# Altium PCB Carte_Mere - Copie.PcbDoc (part 3 of 4)
Units mm, origin at the board's own origin, x right, y up, seen from the top; angles counter-clockwise.
Board outline 100 x 70 mm, 4 copper layers (Top Copper, Ground Plane, Power Plane, Bottom Copper), stack 1.57 mm thick; 396 components, 347 nets, 1180 pads, 759 vias.
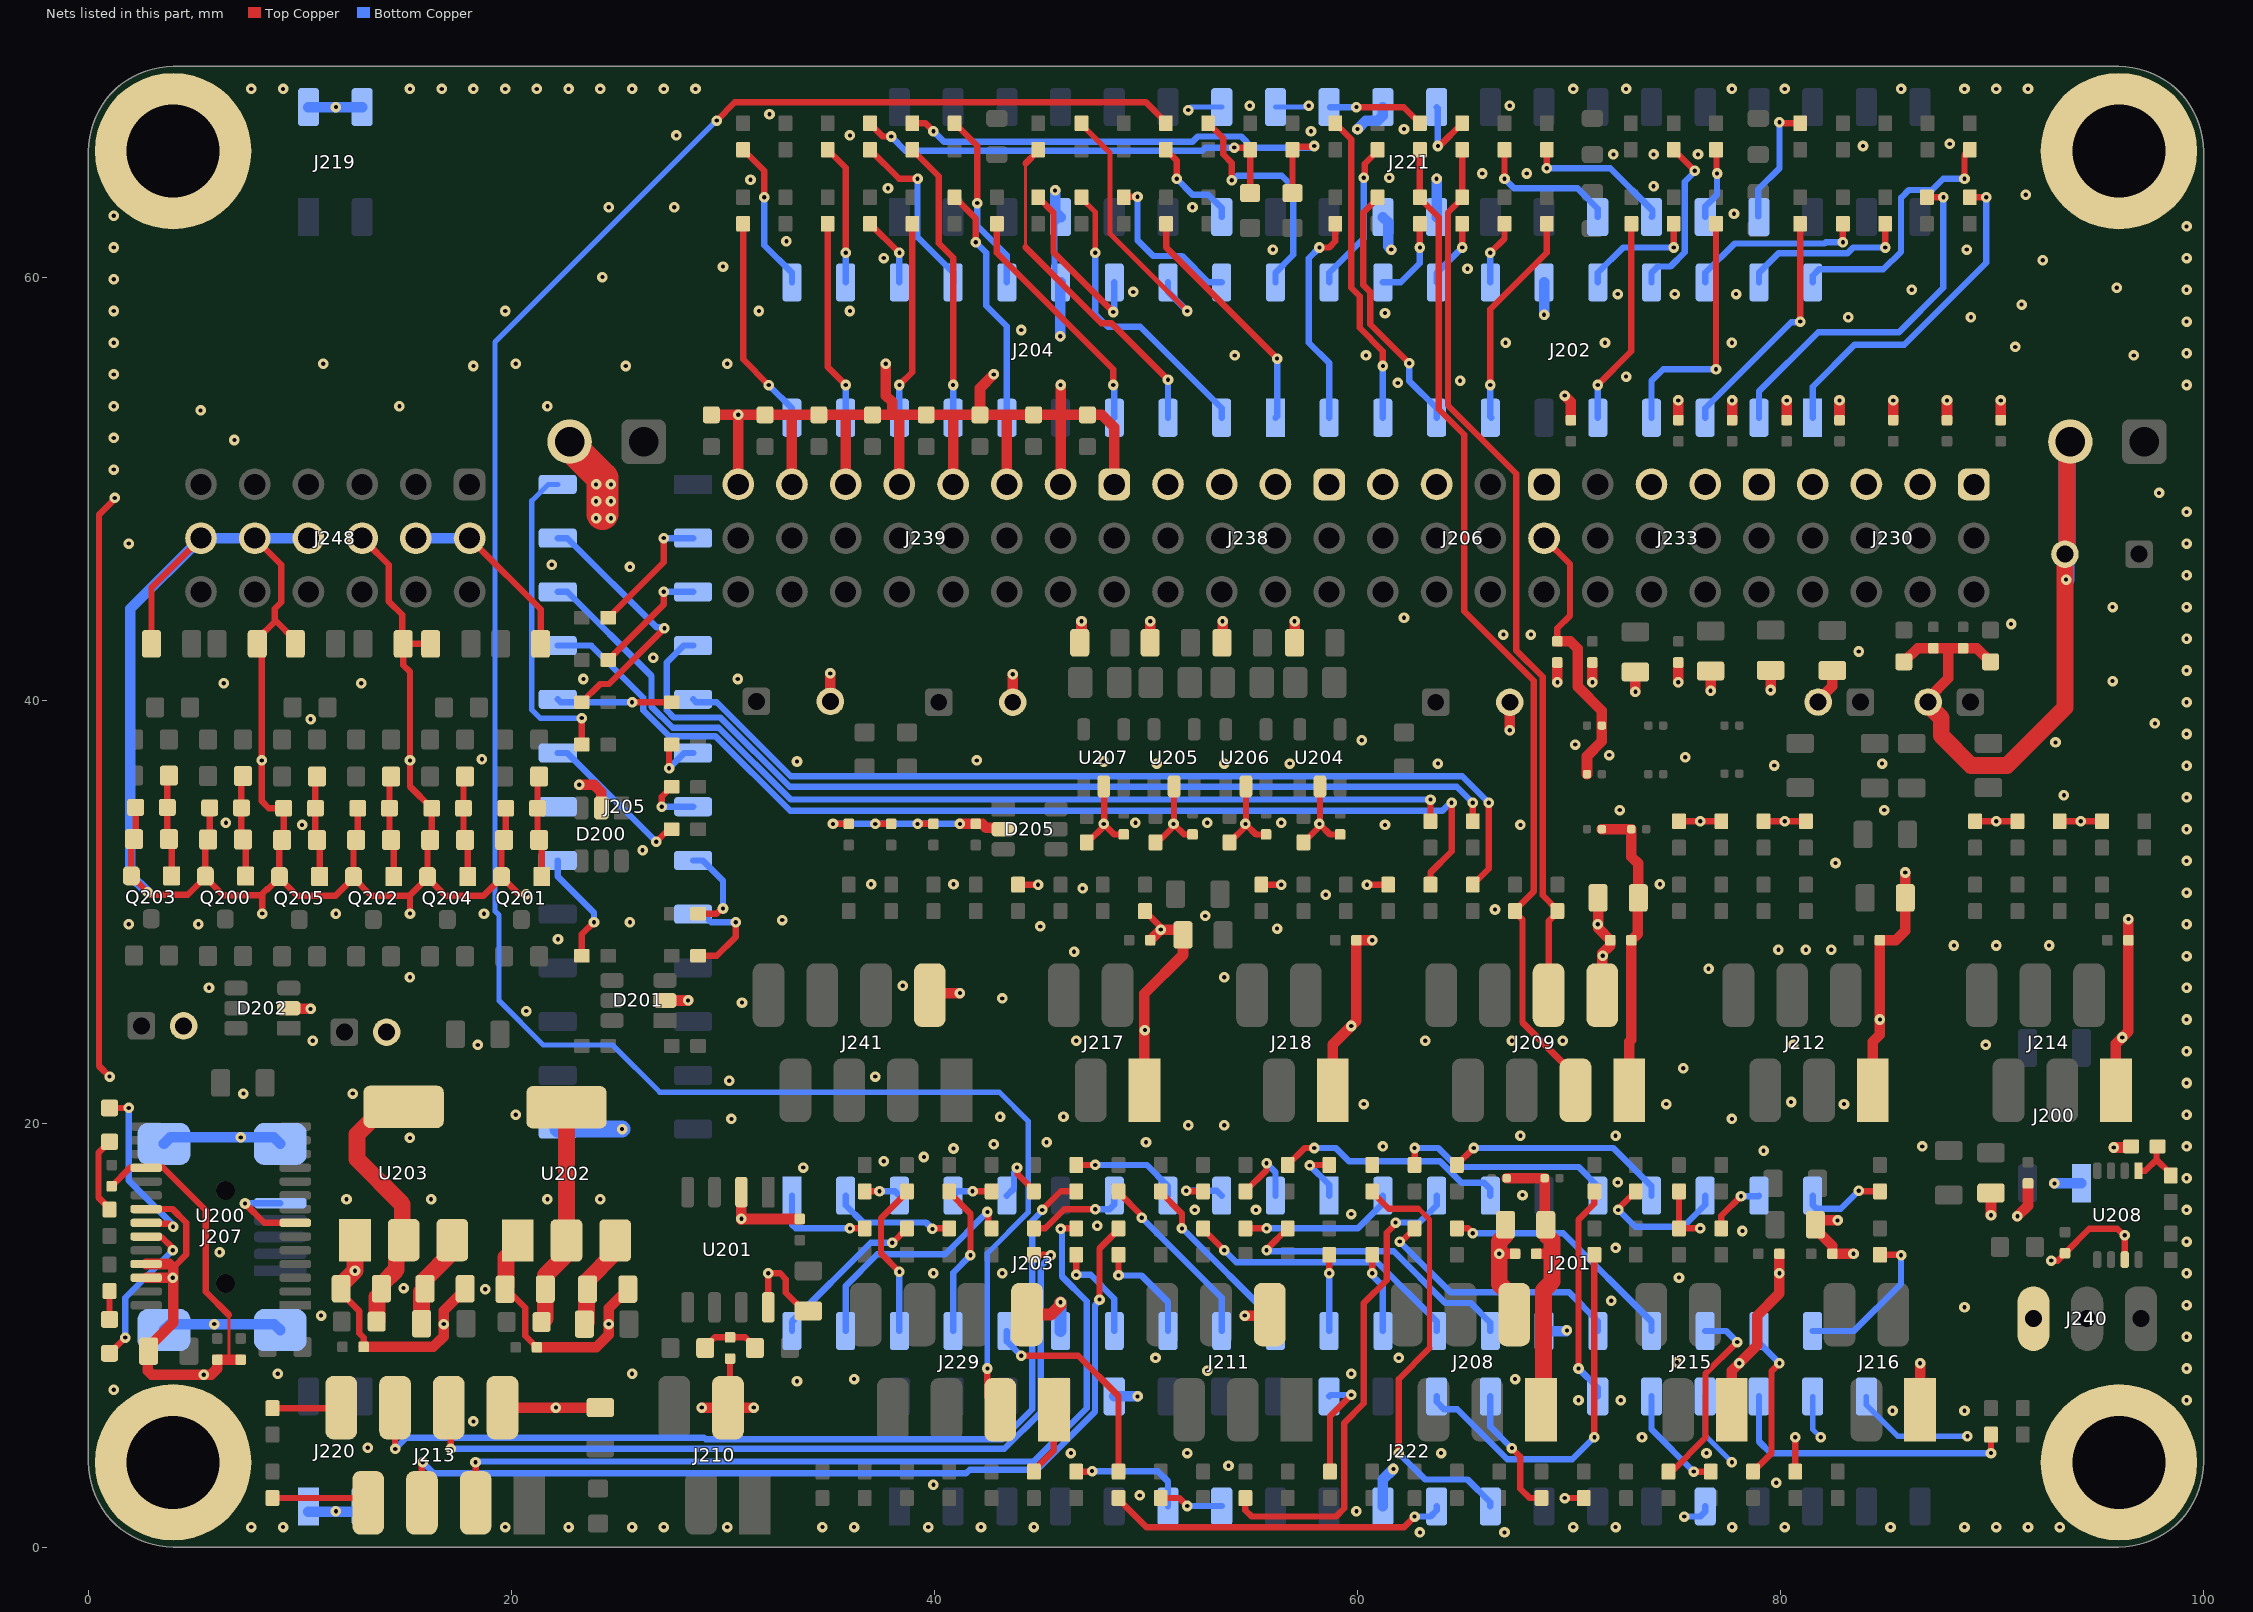
[diagram p5: the nets of this part, all layers, seen from the top]

## Via types
v1: diameter 0.5, hole 0.2, Top Copper to Bottom Copper, tented both sides, 747 vias
v2: diameter 0.5, hole 0.2, Top Copper to Bottom Copper, tented bottom, 11 vias
v3: diameter 0.5, hole 0.2, Top Copper to Bottom Copper, 1 vias

## Nets (pads, with @x,y where several pads share a name; then routed paths per layer and width w, separated by ;. In a path a pad name is that pad's centre, name@x,y a point inside that pad or via, vN(x,y) a via of type N, cw(c..) or ccw(c..) an arc to the next point about the centre after c; other vN are vias at no path point) (continued)
GND: C200.2 C201.2 C202.2 C203.2 C204.2 C205.2 C206.2 C207.2 C208.2 C209.2 C210.2 C211.2 C212.2 C213.2 C214.2 C215.2 C216.2 C217.2 C218.2 C219.2 C220.2 C221.2 C222.2 C223.2 C224.2 C225.2 C226.2 C227.2 C228.2 C229.2 C230.2 C231.2 C232.2 C233.2 C234.2 C235.2 C236.2 C237.2 C238.2 C239.2 C240.2 C241.2 C242.2 C243.2 C244.2 C245.2 C246.2 C247.2 C248.2 C249.2 C250.2 C251.1 C252.1 C253.2 C254.2 C255.2 C256.2 C257.1 C258.2 C259.1 C260.2 C261.2 C262.2 C263.2 C264.2 C265.2 C266.2 C267.2 C268.2 C269.2 C270.2 C271.2 C272.2 C273.2 C274.2 C275.2 C276.2 C277.1 C278.2 C279.1 C280.1 C281.2 C282.2 C283.1 C284.2 C285.1 C286.1 C287.2 C288.2 D200.2 D201.2 D202.2 D205.2 H200.1 H201.1 H202.1 H203.1 J200.1 J201.10 J202.12 J203.12 J204.10 J205.26 J206.1 J206.7 J206.10 J207.5 J207.S1 J207.S2 J207.S3 J207.S4 J208.2 J209.2 J210.2 J211.2 J212.1 J213.2 J214.1 J215.1 J216.1 J217.1 J218.1 J219.2 J219.4 J220.1 J220.3 J221.7 J221.19 J221.20 J221.21 J222.10 J222.19 J222.31 J225.2 J226.2 J229.2 J230.1 J230.4 J230.7 J230.10 J233.1 J233.4 J233.7 J238.1 J238.4 J238.7 J238.10 J239.1 J239.4 J239.7 J239.10 J239.13 J239.16 J239.19 J239.22 J240.3 J241.2 J248.2 J248.5 J248.8 J248.11 J248.14 J248.17 Q200.2 Q201.2 Q202.2 Q203.2 Q204.2 Q205.2 R220.1 R221.1 R222.1 R223.1 R228.1 R229.1 R230.1 R231.1 R240.1 R241.1 R242.1 R243.1 R244.1 R245.1 R246.1 R247.1 R255.2 R256.2 R259.2 R260.2 R265.1 R273.1 R278.1 R279.1 R285.1 R290.1 R291.1 U200.7 U200.18 U200.21 U200.25 U200.26 U201.2 U201.8 U202.1 U203.1 U204.2 U205.2 U206.2 U207.2 U208.7 | length 501.6
  Top Copper w0.15: 6.645,8.859 6.645,10.969
  Top Copper w0.3: v1(1,22.24) 0.498,22.743 0.498,48.808 1.238,49.549 v1(1.238,49.603) ; C206.2@1.095,17.059 1.966,17.93 U200.18@2.73,17.93 3.532,17.93 5.54,15.922 5.54,12.074 6.645,10.969 ; C284.2@2.23,34.97 2.23,33.545 2.028,33.342 Q203.2@2.028,31.736 2.805,30.959 2.868,30.959 2.991,30.836 4.697,30.836 Q200.2@5.527,31.666 ; U200.21@2.73,15.98 3.972,15.98 4.625,15.327 4.625,13.829 4,13.204 ; C283.1@2.98,42.7 2.98,45.36 J248.17@5.32,47.7 ; C278.2@5.73,34.95 5.73,33.525 5.527,33.323 Q200.2@5.527,31.716 Q200.2@5.527,31.666 ; v1(7.4,16.24) 8.31,15.33 U200.7@9.78,15.33 ; J248.14@7.86,47.7 9.115,46.445 9.115,44.675 8.805,44.365 8.805,43.835 9.78,42.86 C286.1@9.78,42.7 ; v1(8.221,29.95) 8.221,30.889 ; 8.805,43.755 7.98,42.93 C277.1@7.98,42.7 8.19,42.49 8.19,35.27 8.53,34.93 C288.2@9.23,34.93 9.23,33.505 9.028,33.302 Q205.2@9.028,31.696 Q205.2@9.028,31.646 ; C229.2@11.95,12.011 12.8,11.161 12.8,10.102 13.007,9.895 C230.2@13.007,9.461 ; C282.2@12.73,34.93 12.73,33.505 12.528,33.302 Q202.2@12.528,31.696 Q202.2@12.528,31.646 ; J248.8@13.12,47.7 13.12,47.52 14.195,46.445 14.195,44.706 14.83,44.071 C280.1@14.83,42.85 ; 15.127,30.796 13.378,30.796 Q202.2@12.528,31.646 ; v1(15.2,29.95) 15.2,30.819 Q204.2@16.028,31.646 ; C285.1@16.18,42.7 C280.1@14.88,42.7 14.88,41.695 15.2,41.374 15.2,35.96 C287.2@16.23,34.93 16.23,33.505 16.028,33.303 Q204.2@16.028,31.696 Q204.2@16.028,31.646 ; C228.2@17.812,12.211 C228.2@17.827,12.196 ; J248.2@18.23,47.7 18.23,47.49 21.38,44.34 C279.1@21.38,42.7 ; C226.2@19.698,12.262 20.65,11.31 20.65,9.99 C227.2@21.2,9.44 ; C281.2@19.73,34.93 19.73,33.505 19.528,33.303 Q201.2@19.528,31.696 ; 20.355,30.869 Q201.2@19.528,31.696 ; J210.2@30.235,6.59 30.335,6.69 C213.2@30.335,8.91 ; U201.8@32.14,11.33 v1(32.14,12.94) 32.7,12.94 32.975,12.665 32.975,12.02 33.835,11.16 C209.2@34.035,11.16 ; v1(35.2,34.19) C261.2@35.95,34.19 ; v1(37.2,34.19) C254.2@37.95,34.19 ; v1(39.2,34.19) C260.2@39.95,34.19 ; R247.1@43.95,31.315 v1(44.9,31.315) ; R260.2@47.25,33.315 48.038,34.103 v1@48.038,34.152 ; U207.2@48.026,35.96 48.026,34.216 v1(48,34.19) v1@48.038,34.152 ; C263.2@48.976,33.69 48.5,33.69 v1@48.038,34.152 ; R246.1@49.95,30.065 50.825,29.19 51.5,29.19 C221.2@51.75,28.94 ; R256.2@50.55,33.315 51.338,34.103 v1@51.338,34.152 ; U205.2@51.326,35.96 51.326,34.216 v1(51.3,34.19) v1@51.338,34.152 ; C256.2@52.276,33.69 C256.2@52.2,33.69 51.8,33.69 v1@51.338,34.152 ; R259.2@53.95,33.315 54.738,34.103 v1@54.738,34.152 ; U206.2@54.726,35.96 54.726,34.216 v1(54.7,34.19) v1@54.738,34.152 ; R245.1@55.45,31.315 v1(56.4,31.315) ; C262.2@55.676,33.69 55.2,33.69 v1@54.738,34.152 ; R255.2@57.45,33.315 58.238,34.103 v1@58.238,34.152 ; U204.2@58.226,35.96 58.226,34.216 v1(58.2,34.19) v1@58.238,34.152 ; C255.2@59.176,33.69 58.7,33.69 v1@58.238,34.152 ; v1(60.45,31.315) R244.1@61.45,31.315 ; v1(69.8,2.315) R242.1@70.7,2.315 ; R241.1@75.2,16.815 75.2,16.44 R243.1@75.2,15.065 v1(76.2,15.065) ; R223.1@75.2,34.315 v1(76.2,34.315) R221.1@77.2,34.315 ; R220.1@79.2,34.315 v1(80.2,34.315) R222.1@81.2,34.315 ; R240.1@80.7,3.565 v1(80.7,5.19) ; R231.1@89.2,34.315 v1(90.2,34.315) R229.1@91.2,34.315 ; v1(92.8,13.54) 93.1,13.54 C267.2@93.45,13.89 94.6,15.04 95.921,15.04 96.221,14.74 v1(96.275,14.74) U208.7@96.275,13.59 ; R228.1@93.2,34.315 v1(94.2,34.315) R230.1@95.2,34.315 ; Q200.2@5.527,31.666 6.378,30.816 8.148,30.816 8.221,30.889 ; 8.221,30.889 8.432,31.1 8.482,31.1 Q205.2@9.028,31.646 ; Q205.2@9.028,31.646 9.878,30.796 11.678,30.796 Q202.2@12.528,31.646 ; Q204.2@16.028,31.646 16.878,30.796 18.678,30.796 19.528,31.646 Q201.2@19.528,31.696
  Top Copper w0.5: U200.26@2.73,12.73 v1(3.99,12.73) ; U200.25@2.73,13.38 3.824,13.38 4,13.204 4,10.614 2.845,9.459 C202.2@2.845,9.259 2.812,9.226 2.812,8.328 3,8.14 5.795,8.14 6.095,8.44 C203.2@6.095,8.859 6.645,8.859 C204.2@7.195,8.859 ; D202.2@9.47,25.44 v1(10.5,25.44) ; C229.2@11.95,12.011 C229.2@11.95,12.211 ; C230.2@13.007,9.461 16.307,9.461 16.8,9.954 v1(16.8,10.54) 16.8,11.168 17.293,11.661 C228.2@17.827,12.196 ; J213.2@19.575,6.59 v1(22.1,6.59) C217.2@24.2,6.59 ; C227.2@21.2,9.44 24.007,9.44 24.6,10.033 v1(24.6,10.54) 24.6,11.293 C225.2@25.498,12.191 ; v1(23.2,36.04) 23.9,36.04 24.25,35.69 D200.2@24.25,34.94 ; D201.2@27.255,25.84 28.35,25.84 v1(28.352,25.842) ; v1(29,6.59) J210.2@30.235,6.59 v1(31.45,6.59) ; C274.2@29.45,53.53 v1(30.72,53.53) ; J239.22@30.72,50.24 v1(30.72,53.53) ; v1@30.87,15.47 v1@30.87,15.51 ; U201.2@30.87,16.78 v1(30.87,15.515) v1@30.87,15.51 ; J239.19@33.26,50.24 33.26,53.49 ; C210.2@33.635,15.51 v1@30.87,15.51 ; C271.2@35.076,39.98 v1(35.076,41.305) ; J239.16@35.8,50.24 35.8,53.43 ; v1(37.7,55.94) 37.7,54.44 38,54.14 38,53.54 ; J239.13@38.34,50.24 38.34,53.49 ; J241.2@39.775,26.09 39.875,26.19 v1(41.2,26.19) ; J239.10@40.88,50.24 40.88,53.53 ; v1(41.2,34.19) C253.2@41.95,34.19 42.255,34.19 42.449,33.997 43.193,33.997 D205.2@43.25,33.94 ; v1(42.8,55.44) 42.15,54.79 C268.2@42.15,53.53 ; J239.7@43.42,50.24 43.42,53.53 ; C265.2@43.7,39.94 v1(43.7,41.265) ; J239.4@45.96,50.24 45.96,53.53 ; v1(45.96,54.94) 45.96,53.53 ; C259.1@46.867,42.755 46.95,42.838 v1(46.95,43.774) ; J239.1@48.5,50.24 48.5,52.94 47.9,53.54 47.24,53.54 C264.2@47.23,53.53 45.96,53.53 ; J217.1@49.924,21.59 v1@49.924,24.44 ; v1(49.95,24.44) v1@49.924,24.44 ; C223.2@50.2,28.69 v1(50.7,29.19) C221.2@51.5,29.19 ; C257.1@50.2,42.755 v1(50.2,43.774) ; C221.2@51.75,28.94 51.75,27.99 49.924,26.164 v1@49.924,24.44 ; C252.1@53.623,42.755 v1(53.623,43.774) ; v1(54.671,10.94) 55.8,10.94 J211.2@55.85,10.99 ; C251.1@57.027,42.755 v1(57.027,43.774) ; J218.1@58.824,21.59 58.824,23.759 v1(59.7,24.635) 59.95,24.885 C222.2@59.95,28.69 v1(60.7,28.69) ; v1(66.7,13.865) C208.2@67.45,13.865 ; v1(67.2,38.615) C258.2@67.2,39.94 ; v1(69.45,40.89) C205.2@69.45,41.82 ; v1(69.8,54.44) 70.09,54.15 C239.2@70.09,53.28 ; v1(71.106,40.89) C240.2@71.106,41.82 ; C211.2@71.375,30.69 71.375,29.265 C212.2@71.95,28.69 71.95,28.44 71.575,28.065 J209.2@71.575,26.09 ; v1(73.138,40.44) C241.2@73.138,41.37 ; v1(75.17,40.89) C237.2@75.17,41.82 ; C236.2@75.17,53.28 v1(75.17,54.21) ; v1(76.694,40.486) C242.2@76.694,41.416 ; J215.1@77.7,6.48 77.7,8.34 v1(78.05,8.69) 78.9,9.54 78.9,10.94 79.95,11.99 C220.2@79.95,13.865 ; C234.2@77.71,53.28 v1(77.71,54.21) ; v1(79.53,40.52) C247.2@79.53,41.45 ; C232.2@80.29,53.28 v1(80.29,54.21) ; C243.2@81.78,39.95 81.78,40.02 82.45,40.69 C248.2@82.45,41.44 ; v1(82.7,15.44) 81.85,15.44 C218.2@81.65,15.24 81.65,15.04 82.45,14.24 C219.2@82.45,13.865 v1(83.45,13.865) ; C238.2@82.79,53.28 v1(82.79,54.21) ; J212.1@84.359,21.59 84.359,23.885 84.7,24.226 C216.2@84.7,28.69 85.45,28.69 85.9,29.14 C214.2@85.9,30.69 v1(85.9,31.89) ; C235.2@85.33,53.28 v1(85.33,54.21) ; C246.2@85.83,41.85 86.48,42.5 C245.2@87.23,42.5 87.93,42.5 ; J216.1@86.6,6.48 v1(86.6,8.69) ; C244.2@86.98,39.95 86.98,40.12 87.93,41.07 87.93,42.5 ; C233.2@87.87,53.28 v1(87.87,54.21) ; C249.2@89.93,41.85 89.28,42.5 C250.2@88.63,42.5 87.93,42.5 ; v1(89.95,15.69) C200.2@89.95,16.74 ; C231.2@90.41,53.28 v1(90.41,54.21) ; v1(91.2,15.64) 91.7,16.14 C201.2@91.7,17.19 ; v1(95.75,18.89) 96.525,18.89 R265.1@96.575,18.94 ; J214.1@95.859,21.59 95.859,23.794 v1(96.155,24.09) 96.45,24.385 C215.2@96.45,28.69 v1(96.45,29.69) ; v1(30.72,53.53) C273.2@31.99,53.53 C272.2@34.53,53.53 C270.2@37.07,53.53 C269.2@39.61,53.53 40.88,53.53 ; 40.88,53.53 C268.2@42.15,53.53 ; C268.2@42.15,53.53 43.42,53.53 ; 43.42,53.53 C266.2@44.69,53.53 45.96,53.53
  Top Copper w0.56: J229.2@44.375,10.99 45.5,10.99 45.96,11.45 v1(45.96,11.575)
  Top Copper w0.8: C229.2@11.95,12.211 11.95,12.411 v1(12.6,13.061) U203.1@12.6,14.51 ; C226.2@19.698,12.262 19.748,12.312 19.748,13.688 20.3,14.24 U202.1@20.3,14.49 ; C207.2@67,15.24 67,14.74 66.7,14.44 v1(66.7,13.865) 66.7,12.445 67.405,11.74 J208.2@67.405,10.99 ; C244.2@86.98,39.95 86.98,39.815 87.6,39.195 87.6,38.361 89.011,36.95 90.71,36.95 93.45,39.69 93.45,46.844 93.546,46.94 93.546,52.106 J225.2@93.7,52.26
  Top Copper w1.5: J226.2@22.75,52.26 22.75,52.098 24.3,50.548 24.3,48.84
  Bottom Copper w0.3: v1@7.4,16.259 7.409,16.249 9.06,16.249 J207.5@9.07,16.259 ; v1(35.2,34.19) v1(37.2,34.19) v1(39.2,34.19) v1(41.2,34.19) ; J204.10@45.96,59.79 45.673,60.077 45.673,62.593 J221.7@45.96,62.88 ; v1(75.45,1.44) 76.2,1.44 76.44,1.68 J222.31@76.44,1.92
  Bottom Copper w0.5: v1(2.796,30.95) 1.98,31.766 1.98,44.36 J248.17@5.32,47.7 J248.14@7.86,47.7 J248.11@10.4,47.7 J248.11@10.58,47.7 ; J207.S4@3.57,10.259 3.851,10.54 v1(5.95,10.54) 8.789,10.54 J207.S1@9.07,10.259 ; J207.S3@3.57,19.059 3.878,19.367 v1(7.2,19.367) 8.762,19.367 J207.S2@9.07,19.059 ; J220.1@10.4,1.67 J220.3@12.94,1.67 ; J219.2@10.4,68.08 v1(11.7,68.08) J219.4@12.94,68.08 ; J248.5@15.66,47.7 J248.2@18.02,47.7 J248.2@18.23,47.7 ; v1(45.7,64.14) 45.71,64.13 45.71,63.13 J221.7@45.96,62.88 ; v1(45.95,57.24) 45.95,59.78 J204.10@45.96,59.79 ; J222.10@48.5,7.12 v1(49.6,7.12) ; v1(60,67.04) 60.39,67.43 60.95,67.43 61.2,67.68 J221.20@61.2,68.08 ; J222.19@61.2,1.92 61.2,3.19 v1(61.7,3.69) ; J221.19@61.2,62.88 61.45,62.63 61.45,61.49 v1(61.6,61.34) ; J221.21@63.74,62.88 v1(63.74,64.69) ; J201.10@68.82,10.21 69.87,10.21 v1(69.9,10.24) ; v1(68.82,58.26) J202.12@68.82,59.79 ; v1(92.95,17.19) 94.21,17.19 J200.1@94.22,17.2
  Bottom Copper w0.56: J203.12@45.96,10.21 v1(45.96,11.575)
  Bottom Copper w0.8: J205.26@22.186,19.76 v1(25.23,19.76) ; v1(93.5,45.74) 93.5,46.89 C224.2@93.45,46.94 93.546,47.036 93.546,52.106 J225.2@93.7,52.26
  other v1: 62.95,0.69 66.95,0.69 7.7,0.94 9.2,0.94 19.7,0.94 22.7,0.94 25.7,0.94 27.2,0.94 30.2,0.94 34.7,0.94 36.2,0.94 39.7,0.94 42.2,0.94 44.7,0.94 70.2,0.94 72.2,0.94 77.71,0.94 80.2,0.94 85.2,0.94 88.7,0.94 90.2,0.94 91.7,0.94 93.2,0.94 11.7,1.69 59.95,1.69 49.7,2.44 39.95,2.94 79.8,3.04 53.9,3.84 46.45,4.44 51.95,4.44 63.95,4.44 76.5,4.44 13.2,4.69 73.45,5.19 18.2,5.94 85.3,6.44 88.7,6.44 70.45,6.94 72.45,6.94 99.2,6.94 1.2,7.44 33.5,7.84 36.2,7.94 67.45,7.94 5.45,8.14 8.95,8.19 25.7,8.19 59.7,8.19 52.9,8.34 99.2,8.44 75.1,8.74 50.45,8.94 61.95,8.94 99.2,9.94 11,10.94 88.7,11.34 99.2,11.44 72,11.64 18.765,12.191 14.9,12.24 75.2,12.74 39.95,12.94 43.2,12.94 79.95,12.94 99.2,12.94 6.2,13.94 72.2,14.14 99.2,14.44 78.2,14.94 47.7,15.19 59.7,15.74 52.3,15.94 55.2,15.94 99.2,15.94 12.2,16.44 16.2,16.44 21.7,16.44 24.2,16.44 67.8,16.64 72.3,17.24 99.2,17.44 33.8,17.94 37.6,18.24 39.5,18.44 79.2,18.74 40.9,18.84 61.2,18.94 86.7,18.94 99.2,18.94 42.8,19.04 45.3,19.14 50,19.14 15.2,19.34 67.7,19.44 72.2,19.44 52,19.94 53.7,19.94 30.4,20.24 77.7,20.24 43.1,20.34 46.1,20.34 20.2,20.44 99.2,20.44 60.3,20.94 74.6,20.94 83,20.94 80.5,21.04 7.325,21.44 12.5,21.44 99.2,21.94 30.3,22.04 37.2,22.24 75.4,22.64 99.2,23.44 18.4,23.74 80.6,23.74 89.7,23.74 10.6,23.94 46.7,23.94 63.2,23.94 67.3,23.94 69.7,23.94 84.7,24.94 99.2,24.94 20.7,25.34 30.9,25.74 43.2,25.94 5.7,26.44 99.2,26.44 38.5,26.54 15.2,26.94 53.7,26.94 76.6,27.34 71.6,27.95 99.2,27.94 46.6,28.14 79.9,28.24 81.2,28.24 82.4,28.24 88.2,28.44 90.2,28.44 92.7,28.44 22.2,28.74 56.2,29.24 45,29.34 1.9,29.44 5.2,29.44 71.36,29.44 99.2,29.44 25.6,29.54 32.8,29.64 52.8,29.84 11.7,29.94 18.7,29.94 66.5,30.14 58.5,30.84 20.7,30.869 99.2,30.94 47,31.14 37,31.34 40.9,31.34 74.3,31.34 82.6,32.34 99.2,32.44 26.2,32.94 99.2,33.94 10.1,34.14 61.3,34.14 67.7,34.14 6.5,34.24 49.5,34.24 52.9,34.24 56.4,34.24 72.4,34.84 84.9,34.84 99.2,35.44 93.4,35.54 99.2,36.94 79.7,36.951 50.5,37.04 53.7,37.04 56.8,37.04 63.8,37.04 84.8,37.04 33.5,37.14 48,37.14 8.19,37.19 15.201,37.19 42,37.19 18.6,37.24 75.5,37.34 71.9,37.44 70.3,37.94 93,38.04 60.2,38.14 99.2,38.44 97.7,38.94 10.5,39.14 99.2,39.94 6.4,40.84 12.9,40.84 95.7,40.94 23.4,41.04 30.7,41.04 99.2,41.44 26.7,42.04 83.7,42.34 99.2,42.94 66.9,43.14 68.2,43.14 90.9,43.64 62.2,43.94 95.7,44.44 99.2,44.44 99.2,45.94 25.6,46.34 21.9,46.44 1.9,47.44 99.2,47.44 24,48.64 99.2,48.94 24,49.44 24.7,49.44 97.9,49.84 24,50.24 24.7,50.24 1.2,50.94 6.9,52.34 1.2,52.44 5.3,53.74 1.2,53.94 14.7,53.94 21.7,53.94 99.2,54.94 61.9,55.04 64.85,55.14 72.7,55.34 1.2,55.44 18.2,55.84 25.4,55.84 11.1,55.94 20.2,55.94 30.2,55.94 54.2,56.34 60.4,56.34 96.7,56.34 99.2,56.44 91.1,56.74 1.2,56.94 67,56.94 71.7,56.94 77.7,56.94 44.1,57.54 99.2,57.94 83.2,58.14 89,58.14 61.3,58.34 1.2,58.44 19.7,58.44 31.7,58.44 36,58.44 91.4,58.74 72.3,59.24 75,59.24 77.9,59.24 49.4,59.34 86.2,59.44 99.2,59.44 95.9,59.54 1.2,59.94 24.3,60.04 65.2,60.44 30,60.54 92.4,60.84 37.6,60.94 99.2,60.94 56,61.34 88.8,61.34 1.2,61.44 33,61.74 99.2,62.44 1.2,62.94 77.8,63.04 24.6,63.34 27.7,63.34 52.2,63.34 91.6,63.94 37.8,64.24 74,64.34 31.3,64.64 61.5,64.74 65.9,64.94 68,64.94 72.1,65.84 74,65.84 76.1,65.84 83.9,66.24 88,66.34 27.8,66.74 36,66.74 57.8,66.94 62.2,67.04 32.2,67.74 54.9,68.14 67.2,68.14 7.7,68.94 9.2,68.94 15.2,68.94 16.7,68.94 18.2,68.94 19.7,68.94 21.2,68.94 22.7,68.94 24.2,68.94 25.7,68.94 27.2,68.94 28.7,68.94 70.2,68.94 72.7,68.94 77.7,68.94 80.2,68.94 85.7,68.94 88.7,68.94 90.2,68.94 91.7,68.94
  other v2: 24.7,48.64
GPIO_00_D3: J202.2 R360.1 | length 12.4
  Top Copper w0.3: v1(88.7,64.69) 88.7,65.815 R360.1@88.95,66.065
  Bottom Copper w0.3: J202.2@81.52,59.79 81.52,60.105 81.82,60.405 84.865,60.405 85.7,61.24 85.7,63.787 86.076,64.163 87.168,64.163 87.695,64.69 v1(88.7,64.69)
GPIO_0_IN0_A8: J202.1 R370.2 | length 16
  Top Copper w0.3: R370.2@88.95,63.815 v1(89.725,63.815)
  Bottom Copper w0.3: J202.1@81.52,53.39 81.52,54.86 83.5,56.84 85.85,56.84 89.725,60.715 v1(89.725,63.815)
GPIO_0_IN1_B8: J202.3 R371.2 | length 17.1
  Top Copper w0.3: R371.2@86.92,63.815 v1(87.7,63.815)
  Bottom Copper w0.3: J202.3@78.98,53.39 78.98,54.643 81.777,57.44 85.6,57.44 87.7,59.54 v1(87.7,63.815)
GPIO_01_C3: J202.4 R361.1 | length 8
  Top Copper w0.3: v1(84.95,61.44) R361.1@84.95,62.565
  Bottom Copper w0.3: J202.4@78.98,59.79 78.98,60.24 79.903,61.163 83.168,61.163 83.445,61.44 v1(84.95,61.44)
GPIO_1_IN0_T9: J203.1 R300.1 | length 4.9
  Top Copper w0.3: v1(36,15.065) R300.1@36.7,15.065
  Bottom Copper w0.3: J203.1@33.26,16.61 33.26,15.24 33.435,15.065 v1(36,15.065)
GPIO_1_IN1_R9: J203.3 R299.1 | length 5.8
  Top Copper w0.3: v1@39.9,15.065 R299.1@40.7,15.065
  Bottom Copper w0.3: J203.3@35.8,16.61 35.8,16.16 36.62,15.34 39.6,15.34 v1(39.9,15.04)
GPIO_02_A2: J202.5 R366.2 | length 11.3
  Top Copper w0.3: v1(80.93,57.94) R366.2@80.93,62.565
  Bottom Copper w0.3: J202.5@76.44,53.39 76.44,53.84 80.502,57.902 80.892,57.902 v1(80.93,57.94)
GPIO_2_IN0_E15: J205.2 R398.1 | length 15.2
  Top Copper w0.3: R398.1@23.325,37.94 v1(23.325,39.19)
  Bottom Copper w0.25: J205.2@22.186,50.24 21.736,50.24 20.961,49.465 20.961,39.574 21.345,39.19 v1(23.325,39.19)
GPIO_2_IN1_E16: J205.3 R399.1 | length 6.2
  Top Copper w0.3: R399.1@24.575,43.94 27.2,46.565 v1(27.2,47.7)
  Bottom Copper w0.3: v1(27.2,47.7) J205.3@28.586,47.7
GPIO_2_IN2_M16: J205.4 R396.2 | length 12.2
  Top Copper w0.3: R396.2@23.325,39.94 24.185,40.8 24.592,40.8 v1(27.232,43.44)
  Bottom Copper w0.3: J205.4@22.186,47.7 22.636,47.7 26.858,43.478 27.194,43.478 v1(27.232,43.44)
GPIO_03_A3: J202.6 R362.1 | length 8.4
  Top Copper w0.3: v1(82.95,61.69) R362.1@82.95,62.565
  Bottom Copper w0.3: J202.6@76.44,59.79 76.44,60.24 77.83,61.63 82.077,61.63 82.137,61.69 v1(82.95,61.69)
GPIO_04_B3: J202.7 R367.2 | length 11.9
  Top Copper w0.3: v1(76.95,55.69) R367.2@76.95,62.565
  Bottom Copper w0.3: J202.7@73.9,53.39 73.9,55.14 74.45,55.69 v1(76.95,55.69)
GPIO_05_B4: J202.8 R363.1 | length 7.9
  Top Copper w0.3: R363.1@74.95,66.065 v1(75.95,65.065)
  Bottom Copper w0.3: J202.8@73.9,59.79 73.9,60.24 74.2,60.54 74.795,60.54 75.477,61.222 75.477,64.548 75.95,65.021 v1(75.95,65.065)